# Altium PCB PCB_ESP_Dent.PcbDoc (part 1 of 2)
Units mil, origin at the board's own origin, x right, y up, seen from the top; angles counter-clockwise.
Board outline 3540 x 920 mil, 4 copper layers (L1, L2, L3, L4), stack 61.583 mil thick; 89 components, 67 nets, 316 pads, 178 vias.
Unrouted connection lines stored in the file: 1.
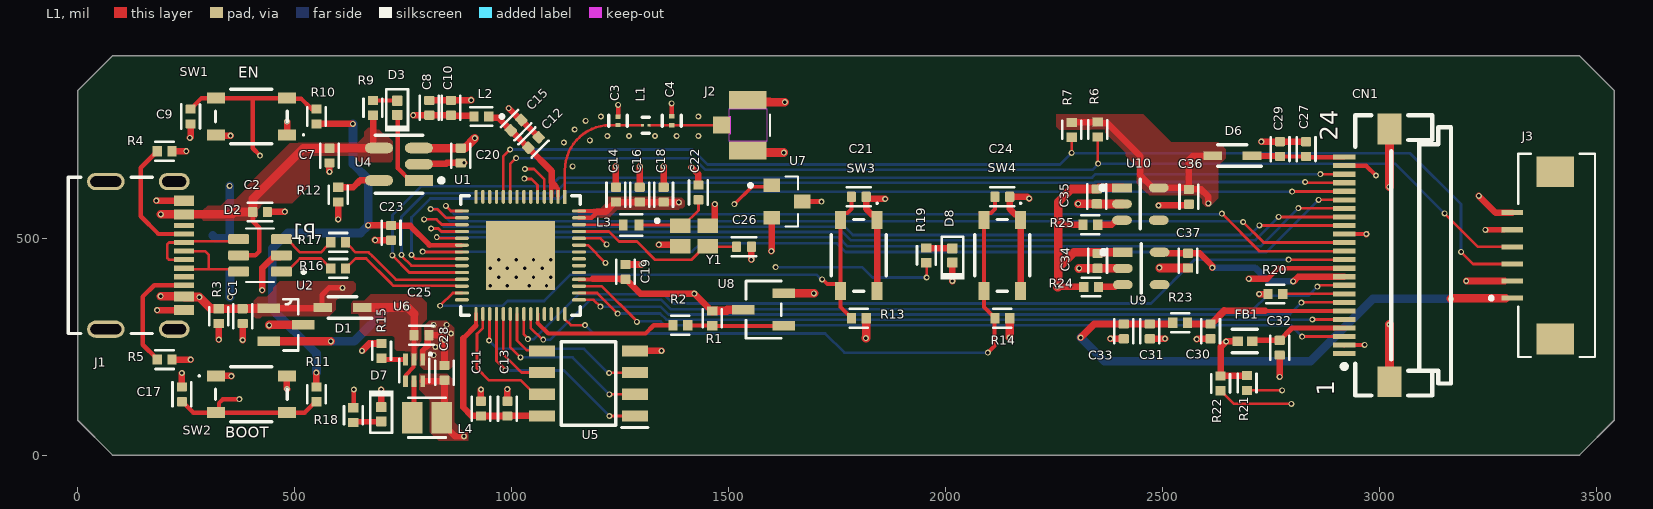
[diagram p0: L1 view]
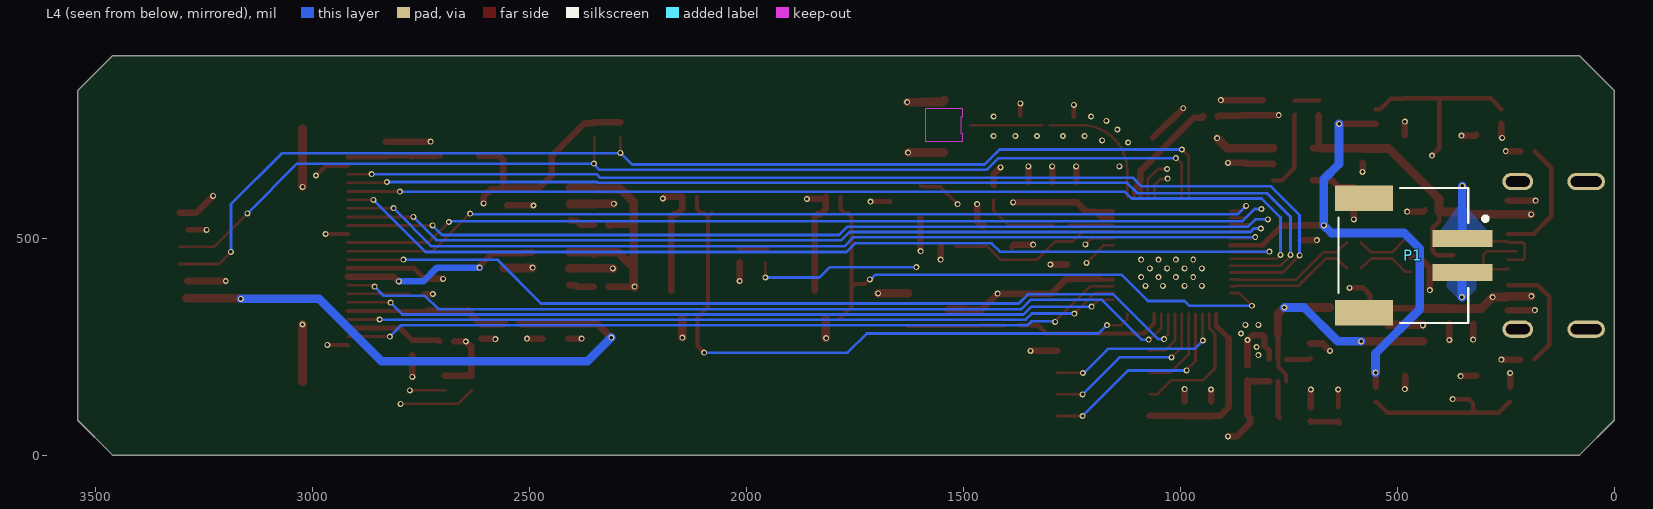
[diagram p1: L4 view, seen from below]
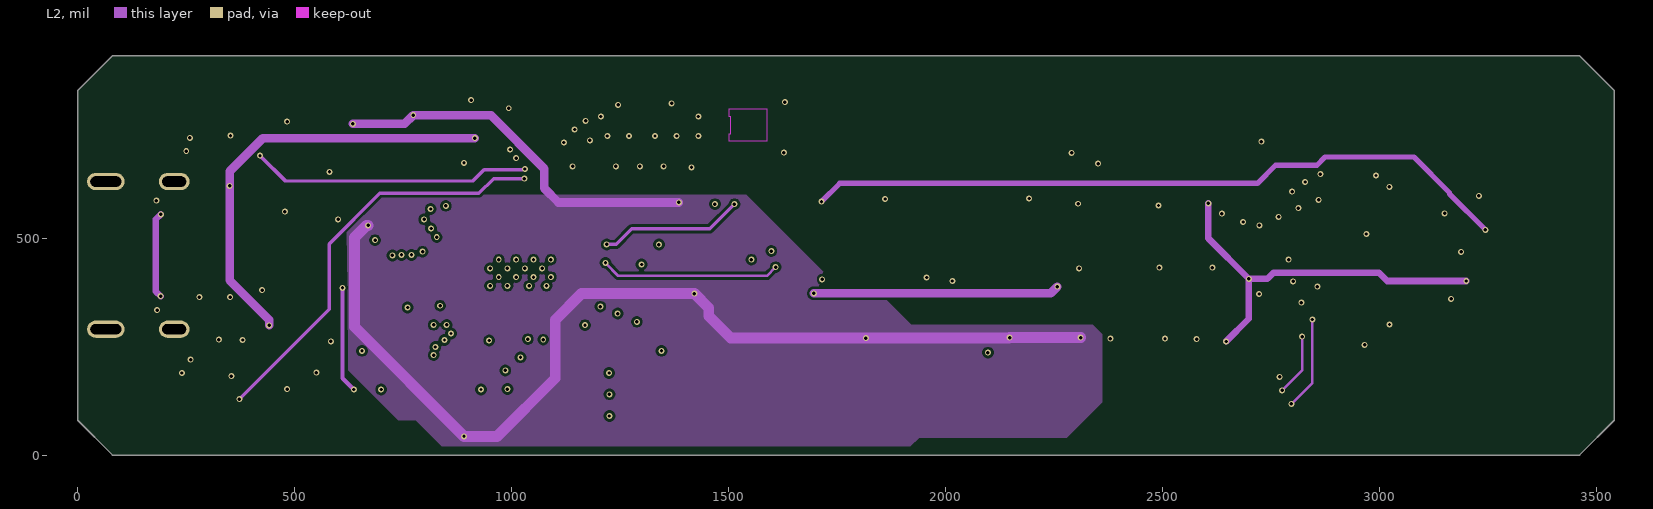
[diagram p2: L2]
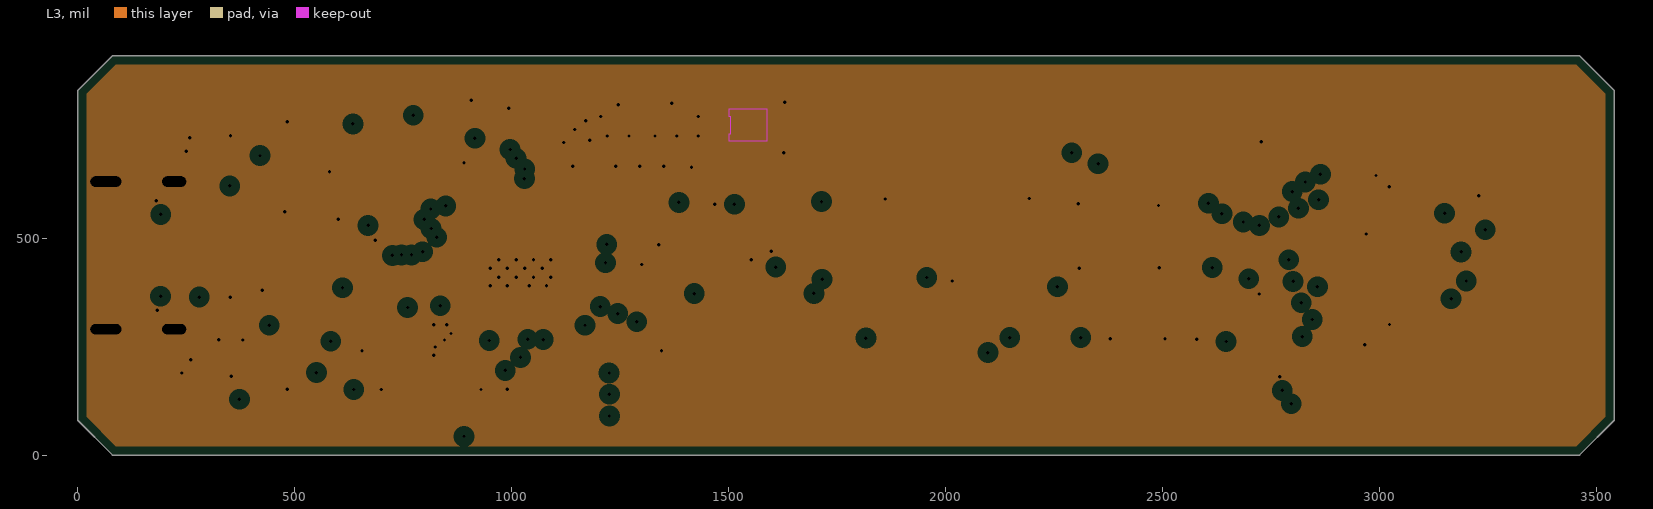
[diagram p3: L3, clearances drawn from the general rule]
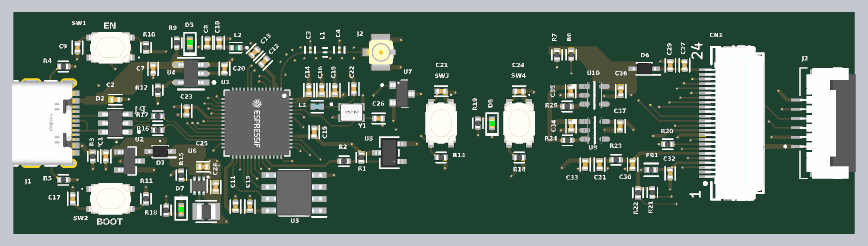
[diagram p5: 3D render of the assembled board from above, using the file's embedded part models]

## Layer stack, top to bottom
Top Solder: solder mask 0.4, Solder Resist, Dk 3.5
L1: signal copper 1.378
Dielectric 2: prepreg 3.9134, PP-006, Dk 4.1
L2: signal copper 0.5984
Dielectric 1: dielectric 49.8031, FR-4, Dk 4.8
L3: plane copper 0.5984, net GND
Dielectric 3: prepreg 3.9134, PP-006, Dk 4.1
L4: signal copper 1.378
Bottom Solder: solder mask 0.4, Solder Resist, Dk 3.5

## Board outline
0,80 80,0 3460,0 3540,80 3540,840 3460,920 80,920 0,840

## Design rules (kind name [scope] priority, off if disabled: settings)
Clearance [All] p1: gap=6 ignorepadtopadclearanceinfootprint=TRUE except(7.87: SMDPad-SMDPad)
DiffPairsRouting DIFF90 [InDifferentialPairClass('DIFF90')] p1: maxlimit=8.1 minlimit=8 mostfreqgap=8 toplayer_minwidth=6.12 toplayer_maxwidth=6.13 toplayer_prefwidth=6.12 midlayer1_maxgap=8 midlayer1_minwidth=5.1 midlayer1_maxwidth=5.2 midlayer1_prefwidth=5.1 bottomlayer_minwidth=6.12 bottomlayer_maxwidth=6.13 bottomlayer_prefwidth=6.12 maxuncoupledlength=500
MinimumSolderMaskSliver [All] p1: minsoldermaskwidth=4
PlaneClearance [All] p1: clearance=20
PlaneConnect [All] p1: pad.planeconnectstyle=Relief pad.reliefexpansion=20 pad.reliefentries=4 pad.reliefconductorwidth=20 pad.reliefairgap=10 via.planeconnectstyle=Direct via.reliefexpansion=20 via.reliefentries=4 via.reliefconductorwidth=10 via.reliefairgap=10
PolygonConnect [All] p1: connectstyle=Direct reliefconductorwidth=10 reliefentries=4 polygonreliefangle="90 Angle" airgapwidth=10
RoutingVias [All] p1: holewidth=7.87 width=13.78 viastyle="Through Hole" minholewidth=7.87 minwidth=13.78 maxholewidth=7.87 maxwidth=13.78
SilkToSilkClearance [All] p1: silktosilkclearance=6
SilkToSolderMaskClearance [IsPad] p1: minsilkscreentomaskgap=6 clearancetoexposedcopper=TRUE
SolderMaskExpansion [All] p1: expansion=0 istentingtop=TRUE
SupplyNets "Schematic Supply Nets_7" [InNet('1.8V')] p1: voltage=0.000
SupplyNets "Schematic Supply Nets_6" [InNet('VIN')] p2: voltage=0.000
SupplyNets "Schematic Supply Nets_5" [InNet('3V3')] p3: voltage=0.000
SupplyNets "Schematic Supply Nets_4" [InNet('VBAT')] p4: voltage=0.000
SupplyNets "Schematic Supply Nets_3" [InNet('2.8V')] p5: voltage=0.000
SupplyNets "Schematic Supply Nets_2" [InNet('GND')] p6: voltage=0.000
SupplyNets "Schematic Supply Nets_1" [InNet('AVCC_2.8V')] p7: voltage=0.000
SupplyNets "Schematic Supply Nets" [InNet('TYPE-C_5V')] p8: voltage=0.000
Width [All] p1: maxlimit=100 minlimit=6 preferedwidth=10 minimp=50.000000 maximp=50.000000 favimp=50.000000
24 further rules are at their usual default settings.

## Classes and differential pairs
differential pair class DIFF90: D ESP_USB ESP_USB0
differential pair ESP_USB: +ESP_USB_P -ESP_USB_N
differential pair ESP_USB0: +ESP_USB0_P -ESP_USB0_N
differential pair D: +D_P -D_N

## Components (designator, comment, footprint, x,y, rotation, side; value= is the part's Value field where it differs from the comment)
C1 "100nf" CAPC1005X55N 380,320 r90 top locked value=100nF
C2 "100nf" CAPC1005X55N 420,560 r180 top locked value=100nF
C3 "GRM0335C1H1R1BA01D" FP-GRM033-0_03-MFG 1245,770 r270 top locked value=1.1pF
C4 "GJM0335C1ER90WB01D" FP-GJM033-0_03-MFG 1368.5,770 r270 top locked value=0.9pF
C7 "10nf" CAPC1005X55N 580,690 r90 top locked value=10nF
C8 "2.2uf" CAPC1005X55N 810,800 r270 top locked
C9 "100nf" CAPC1005X55N 260,780 r90 top locked value=100nF
C10 "2.2uf" CAPC1005X55N 860,800 r270 top locked
C11 "100nf" CAPC1005X55N 929,107 r270 top locked value=100nF
C12 "100nf" CAPC1005X55N 1050,720 r225 top locked value=100nF
C13 "1uf" CAPC1005X55N 990,107 r270 top locked value=1uF
C14 "2.2uf" CAPC1005X55N 1239.85,600 r270 top locked
C15 "100nf" CAPC1005X55N 1010,760 r225 top locked value=100nF
C16 "100nf" CAPC1005X55N 1294.85,600 r270 top locked value=100nF
C17 "100nf" CAPC1005X55N 240,140 r270 top locked value=100nF
C18 "10nf" CAPC1005X55N 1349.85,600 r270 top locked value=10nF
C19 "100nf" CAPC1005X55N 1262,422 r270 top locked value=100nF
C20 "4.7uf" CAPC1005X55N 882.35,690 r90 top locked
C21 "100nf" CAPC1005X55N 1799.48,595 r180 top locked value=100nF
C22 "24pf" CAPC1005X55N 1430,605 r90 top locked
C23 "100nf" CAPC1005X55N 722,512 r90 top locked value=100nF
C24 "100nf" CAPC1005X55N 2130,595 r180 top locked value=100nF
C25 "4.7uf" CAPC1005X55N 792,276 r180 top locked
C26 "24pf" CAPC1005X55N 1535,480 r180 top locked
C27 "2.2uf" CAPC1005X55N 2830,705 r270 top locked
C28 "4.7uf" CAPC1005X55N 845,189.57 r270 top locked
C29 "100nf" CAPC1005X55N 2770,705 r270 top locked value=100nF
C30 "100nf" CAPC1005X55N 2610,285 r90 top locked value=100nF
C31 "4.7uf" CAPC1005X55N 2470,285 r90 top locked
C32 "2.2uf" CAPC1005X55N 2769.15,247.38 r90 top locked
C33 "100nf" CAPC1005X55N 2410,285 r90 top locked value=100nF
C34 "1uf" CAPC1005X55N 2349.68,447.27 r90 top locked value=1uF
C35 "1uf" CAPC1005X55N 2347.77,595.75 r90 top locked value=1uF
C36 "1uf" CAPC1005X55N 2560,595 r90 top locked value=1uF
C37 "1uf" CAPC1005X55N 2558,448.01 r90 top locked value=1uF
CN1 "AFC01-S24FCC-00" FH52-24S-0.5SH 2970,460 r90 top locked
D1 "PMEG4010BEA,115" SOD2512X110N 610,340 r180 top locked
D2 "USBLC6-2SC6" SOT95P280X145-6N 420,460 r180 top locked value=2.5pF
D3 "GREEN" LEDC1005X35N 736,800 r90 top locked
D6 "PMEG4010BEA,115" SOD2512X110N 2660,690 r180 top locked
D7 "GREEN" LEDC1005X35N 699,94 r270 top locked
D8 "GREEN" LEDC1005X35N 2015.16,460 r90 top locked
FB1 "BLM15PD121SN1D" FP-BLM15-0_05-IPC_B 2689.15,262.38 r0 top locked
J1 "USB C" FP-2171790001-MFG 110,460 r270 top locked
J2 "U.FL-R-SMT-1(80)" HIROSE_U.FL-R-SMT-1(80) 1544,760 r270 top locked
J3 "AFA01-S06FCC-00" JUSHUO_AFA01-S06FCC-00 3422,460 r90 top locked
L1 "LQP03HQ2N3B02D" FP-LQP02HV_02-MFG 1308.33,760 r0 top locked value=2.3nH
L2 "LQG15HS2N0S02D" INDC1005X55N 930,780 r0 top locked value=2nH
L3 "24nH" INDC1005X60N 1275,530 r0 top locked
L4 "1uH" INDC2016X100N 805,86 r0 top locked
P1 "S2B-PH-SM4-TB" JST_S2B-PH-SM4-TB(LF)(SN) 350,460 r270 bottom locked
R1 "100k" RESC1005X40N 1461.8,315 r270 top locked value=100kR
R2 "100R" RESC1005X40N 1388.4,299.02 r0 top locked value=100kR
R3 "100k" RESC1005X40N 325,320 r90 top locked value=100kR
R4 "5.1K" RESC1005X40N 200,700 r0 top locked value=5.1kR
R5 "5.1K" RESC1005X40N 200,220 r0 top locked value=5.1kR
R6 "4.7k" RESC1005X40N 2350,750 r90 top locked value=4.7kR
R7 "4.7k" RESC1005X40N 2290,749.37 r90 top locked value=4.7kR
R9 "1K, 16W" RESC1005X40N 680,800 r270 top locked value=1kR
R10 "10K" RESC1005X40N 550,780 r270 top locked
R11 "10K" RESC1005X40N 550,140 r90 top locked
R12 "2.4k" RESC1005X40N 600,600 r90 top locked value=2.4kR
R13 "10K" RESC1005X40N 1799.48,315 r0 top locked
R14 "10K" RESC1005X40N 2130,315 r0 top locked
R15 "249k ohm" RESC1005X40N 700,240 r270 top locked value=249kR
R16 "22R" RESC1005X40N 600,430 r0 top locked value=22Ω
R17 "22R" RESC1005X40N 600,490 r0 top locked value=22Ω
R18 "1K, 16W" RESC1005X40N 635,92 r90 top locked value=1kR
R19 "1K, 16W" RESC1005X40N 1955.16,460 r270 top locked value=1kR
R20 "10K" RESC1005X40N 2759,371 r0 top locked
R21 "4.7k" RESC1005X40N 2694,166 r270 top locked value=4.7kR
R22 "4.7k" RESC1005X40N 2633,165 r270 top locked value=4.7kR
R23 "10K" RESC1005X40N 2540,305 r0 top locked
R24 "10K" RESC1005X40N 2334.68,387.27 r0 top locked
R25 "10K" RESC1005X40N 2332.77,530.75 r0 top locked
SW1 "SKRPANE010" SKRPANE010 400,780 r180 top locked
SW2 "SKRPANE010" SKRPANE010 400,140 r0 top locked
SW3 "SKRPANE010" SKRPANE010 1799.48,460 r270 top locked
SW4 "SKRPANE010" SKRPANE010 2130,460 r270 top locked
U1 "ESP32-S3R8" FP-ESP32-S3R8-IPC_B 1020,460 r270 top locked
U2 "DMG3415U-7" SOT95P240X105-3N 480,300 r0 top locked
U4 "MCP73831T-2ACI/OT" FP-C04-091-OT-IPC_A 740,670 r180 top locked
U5 "GD25Q64ETIGR, 8MB Flash" SOIC127P600X175-8N 1176.77,165 r180 top locked
U6 "Buck Converter" SOT-563 775,195 r270 top locked
U7 "IRLML6344TRPBF" TRANS_IRLML6344TRPBF 1634,584 r0 top locked value=37MΩ
U8 "AO3407A" SOT-23-3L_AOS 1580,335 r90 top locked
U9 "MIC5504-1.8YM5-TR" FP-SOT23-5LD-PL-1-IPC_C 2450.1,429.87 r0 top locked
U10 "MIC5504-2.8YM5-TR" FP-SOT23-5LD-PL-1-IPC_C 2448.19,578.35 r0 top locked
Y1 "ABM10W-40.0000MHZ-8-B1U-T3" XTAL_ABM10W-40.0000MHZ-8-B1U-T3 1420,505 r0 top locked

## Footprints (in the part's own frame and the unit in brackets; to place one, negate y for a bottom-side part, rotate by r counter-clockwise, add the part's x,y. Pads: shape width x height; smd on the part's side, far side on the other; paste and mask are expansions set on the pad)
CAPC1005X55N [mm]
  rrect25% 0.54x0.6 smd mask+0.051: 1(-0.432,0) 2(0.432,0)
  silkscreen extent -0.7,-0.55 0.7,0.55, body extent -0.5,-0.25 0.5,0.25, height 0.55
FH52-24S-0.5SH [mm]
  rect 0.3x1.3 smd paste+0 mask+0.05: 1(-5.75,1.325) 2(-5.25,1.325) 3(-4.75,1.325) 4(-4.25,1.325) 5(-3.75,1.325) 6(-3.25,1.325) 7(-2.75,1.325) 8(-2.25,1.325) 9(-1.75,1.325) 10(-1.25,1.325) 11(-0.75,1.325) 12(-0.25,1.325) 13(0.25,1.325) 14(0.75,1.325) 15(1.25,1.325) 16(1.75,1.325) 17(2.25,1.325) 18(2.75,1.325) 19(3.25,1.325) 20(3.75,1.325) 21(4.25,1.325) 22(4.75,1.325) 23(5.25,1.325) 24(5.75,1.325)
  rect 1.8x1.4 smd paste+0 mask+0.05: 25(7.4,-1.325) 26(-7.4,-1.325)
  silkscreen extent -8.2,-4.93 8.2,1.47, body extent -8.37,-4.93 8.38,1.35, height 2.06
FP-2171790001-MFG [mm]
  rect 0.6x1.15 smd paste+0 mask+0: A1B12(-3.2,3.425) A4B9(-2.4,3.425) B1A12(3.2,3.425) B4A9(2.4,3.425)
  rect 0.3x1.15 smd paste+0 mask+0: A5(-1.25,3.425) A6(-0.25,3.425) A7(0.25,3.425) A8(1.25,3.425) B5(1.75,3.425) B6(0.75,3.425) B7(-0.75,3.425) B8(-1.75,3.425)
  rrect100% 1x1.8 hole 1.4 slot 0.6 at 0 deg paste-2539.97 mask+0: S1(-4.32,2.85) S2(4.32,2.85)
  rrect100% 1x2.2 hole 1.8 slot 0.6 at 0 deg paste-2539.97 mask+0: S3(-4.32,-1.15) S4(4.32,-1.15)
  silkscreen extent -4.57,-3.35 4.57,1.58, body extent -4.92,-3.45 4.92,4.1, height 0.25
FP-BLM15-0_05-IPC_B [mil]
  rect 24.23x22.54 smd paste+0 mask+0: 1(-16.87,0) 2(16.87,0)
  silkscreen extent -29,-27 29,27, body extent -35,-17 35,17, height 10
FP-C04-091-OT-IPC_A [mil]
  rect 64.5x24.33 smd paste+0 mask+2: 1(-45.91,37.4)
  rrect100% 64.5x24.33 smd paste+0 mask+2: 2(-45.91,0) 3(-45.91,-37.4) 4(45.91,-37.4) 5(45.91,37.4)
  silkscreen extent -103,-67 55,67, body extent -53,-57 53,57, height 57
FP-ESP32-S3R8-IPC_B [mm]
  rect 0.818x0.192 smd paste+0 mask+0: 1(-3.427,2.6)
  rrect100% 0.818x0.192 smd paste+0 mask+0: 2(-3.427,2.2) 3(-3.427,1.8) 4(-3.427,1.4) 5(-3.427,1) 6(-3.427,0.6) 7(-3.427,0.2) 8(-3.427,-0.2) 9(-3.427,-0.6) 10(-3.427,-1) 11(-3.427,-1.4) 12(-3.427,-1.8) 13(-3.427,-2.2) 14(-3.427,-2.6) 29(3.427,-2.6) 30(3.427,-2.2) 31(3.427,-1.8) 32(3.427,-1.4) 33(3.427,-1) 34(3.427,-0.6) 35(3.427,-0.2) 36(3.427,0.2) 37(3.427,0.6) 38(3.427,1) 39(3.427,1.4) 40(3.427,1.8) 41(3.427,2.2) 42(3.427,2.6)
  rrect100% 0.192x0.818 smd paste+0 mask+0: 15(-2.6,-3.427) 16(-2.2,-3.427) 17(-1.8,-3.427) 18(-1.4,-3.427) 19(-1,-3.427) 20(-0.6,-3.427) 21(-0.2,-3.427) 22(0.2,-3.427) 23(0.6,-3.427) 24(1,-3.427) 25(1.4,-3.427) 26(1.8,-3.427) 27(2.2,-3.427) 28(2.6,-3.427) 43(2.6,3.427) 44(2.2,3.427) 45(1.8,3.427) 46(1.4,3.427) 47(1,3.427) 48(0.6,3.427) 49(0.2,3.427) 50(-0.2,3.427) 51(-0.6,3.427) 52(-1,3.427) 53(-1.4,3.427) 54(-1.8,3.427) 55(-2.2,3.427) 56(-2.6,3.427)
  rect 4.05x4.05 smd paste-1000 mask+0: 57(0,0)
  silkscreen extent -3.5,-3.5 3.5,3.5, body extent -4.09,-4.09 4.09,4.09, height 0.25
FP-GJM033-0_03-MFG [mm]
  rect 0.275x0.3 smd paste+0 mask+0: 1(-0.262,0) 2(0.262,0)
  silkscreen extent -0.32,-0.55 0.32,0.55, body extent -0.5,-0.27 0.5,0.26, height 0.25
FP-GRM033-0_03-MFG [mm]
  rect 0.25x0.3 smd paste+0 mask+0: 1(-0.238,0) 2(0.238,0)
  silkscreen extent -0.32,-0.54 0.32,0.54, body extent -0.46,-0.27 0.46,0.27, height 0.25
FP-LQP02HV_02-MFG [mm]
  rect 0.18x0.16 smd paste+0 mask+0: 1(-0.19,0) 2(0.19,0)
  silkscreen extent -0.21,-0.48 0.21,0.48, body extent -0.38,-0.21 0.38,0.21, height 0.25
FP-SOT23-5LD-PL-1-IPC_C [mm]
  rect 1.156x0.53 smd paste+0 mask+0: 1(-1.075,0.95)
  rrect100% 1.156x0.53 smd paste+0 mask+0: 2(-1.075,0) 3(-1.075,-0.95) 4(1.075,-0.95) 5(1.075,0.95)
  silkscreen extent -2.33,-1.45 0,1.45, body extent -1.75,-1.55 1.75,1.55, height 0.25
HIROSE_U.FL-R-SMT-1(80) [mm] "1 Male Pin IPEX Board Side 1.25mm -40℃~+90℃ 6GHz 50Ω 2mm SMD Coaxial Connectors (RF) ROHS"
  rect 1.05x2.2 smd paste-2: G1(-1.475,0) G2(1.475,0)
  rect 1x1.05 smd paste-0.1: SIG(0,-1.525)
  Keep-Out Layer region: 0.95,-1.1 0.5,-1.1 0.5,-1 -0.5,-1 -0.5,-1.1 -0.95,-1.1 -0.95,1.1 0.95,1.1
  silkscreen extent -0.63,1.3 0.63,1.3, body extent -1.5,-1.53 1.5,1.57, height 1.26
INDC1005X55N [mm] "FIXED IND 2nH 900mA 90mΩ 0402"
  rect 0.54x0.6 smd: 1(-0.432,0) 2(0.432,0)
  silkscreen extent -0.64,-0.55 1.3,0.55, body extent -0.5,-0.25 0.5,0.25, height 0.55
INDC1005X60N [mm]
  rect 0.51x0.63 smd: 1(-0.46,0) 2(0.46,0)
  silkscreen extent -0.64,-0.64 0.64,0.64, body extent -0.5,-0.25 0.5,0.25, height 0.6
INDC2016X100N [mm]
  rect 1.2x1.82 smd: 1(-0.86,0) 2(0.86,0)
  silkscreen extent -1.1,-1.16 1.1,1.16, body extent -1,-0.8 1,0.8, height 1
JST_S2B-PH-SM4-TB(LF)(SN) [mm]
  rect 1x3.5 smd: 1(-1,0) 2(1,0)
  rect 1.5x3.4 smd: S1(-3.35,-5.75) S2(3.35,-5.75)
  silkscreen extent -3.95,-7.25 3.95,1.45, body extent -3.95,-7.37 3.95,1.23, height 5.5
JUSHUO_AFA01-S06FCC-00 [mm]
  rect 0.3x1.25 smd: 1(-2.5,2.975) 2(-1.5,2.975) 3(-0.5,2.975) 4(0.5,2.975) 5(1.5,2.975) 6(2.5,2.975)
  rect 1.8x2.2 smd: SH1(-4.9,0.45) SH2(4.9,0.45)
  silkscreen extent -5.95,-1.88 5.95,4.3, body extent -5.95,-3.35 5.95,2.6, height 2
LEDC1005X35N [mm]
  rrect15% 0.59x0.61 smd: 1(-0.415,0) 2(0.415,0)
  silkscreen extent -1.4,-0.71 1.09,0.71, body extent -0.5,-0.3 0.5,0.3, height 0.21
RESC1005X40N [mm]
  rect 0.54x0.6 smd mask+0.051: 1(-0.432,0) 2(0.432,0)
  silkscreen extent -0.53,-0.55 0.53,0.55, body extent -0.5,-0.25 0.5,0.25, height 0.4
SKRPANE010 [mm]
  rect 1.05x0.65 smd mask+0.051: 1(-2.075,1.075) 2(2.075,1.075) 3(-2.075,-1.075) 4(2.075,-1.075)
  silkscreen extent -3.1,-1.6 2.1,1.6, body extent -2.3,-1.6 2.3,1.6, height 2.5
SOD2512X110N [mm]
  rect 1.1x0.5 smd: 1(-1.15,0) 2(1.15,0)
  silkscreen extent -1.7,-0.63 0.85,0.63, body extent -1.24,-0.64 1.24,0.62, height 0.91
SOIC127P600X175-8N [mm]
  rect 1.525x0.65 smd: 1(-2.712,1.905) 2(-2.712,0.635) 3(-2.712,-0.635) 4(-2.712,-1.905) 5(2.712,-1.905) 6(2.712,-0.635) 7(2.712,0.635) 8(2.712,1.905)
  silkscreen extent -3.47,-2.45 1.6,2.58, body extent -3,-2.45 3,2.45, height 1.75
SOT95P240X105-3N [mil]
  rect 52x22 smd: 1(-40,38) 2(-40,-38) 3(40,0)
  silkscreen extent -6,-59 28,59, body extent -47,-57 47,57, height 45
SOT95P280X145-6N [mm] "TVS"
  rrect25% 1.21x0.59 smd: 1(-1.255,0.95) 2(-1.255,0) 3(-1.255,-0.95) 4(1.255,-0.95) 5(1.255,0) 6(1.255,0.95)
  silkscreen extent -2.66,-1.57 0.81,1.57, body extent -1.4,-1.46 1.4,1.46, height 1.42
SOT-23-3L_AOS [mil] "AO3407A"
  rect 22x52 smd paste+0 mask+0: 1(-37.5,-47) 2(37.5,-47) 3(0,47)
  silkscreen extent -66,-41 66,41, body extent -61,-59 61,59, height 49
SOT-563 [mm] "1.8V to 5.5V, 600mA, 275nA Iq Small Step-Down Converter"
  rect 0.68x0.28 smd: 1(-0.64,0.5) 2(-0.64,0) 3(-0.64,-0.5) 4(0.64,-0.5) 5(0.64,0) 6(0.64,0.5)
  silkscreen extent -1.02,-0.88 0.68,1.02, body extent -0.8,-0.8 0.8,0.8, height 0.6
TRANS_IRLML6344TRPBF [mm]
  rect 0.972x0.802 smd: 1(-0.885,0.95) 2(-0.885,-0.95) 3(0.885,0)
  silkscreen extent -2.23,-1.46 0.65,1.46, body extent -1.25,-1.46 1.25,1.46, height 1.12
XTAL_ABM10W-40.0000MHZ-8-B1U-T3 [mm]
  rect 1.2x0.85 smd: 1(-0.812,0.6) 2(0.812,0.6) 3(0.812,-0.6) 4(-0.812,-0.6)
  silkscreen extent -2.26,0.79 -2.06,0.99, body extent -1.25,-1 1.25,1, height 0.6

## Part data
C1 C2 C9 C11 C12 C15 C16 C17 C19 C21 C23 C24 C29 C30 C33: "CAP CER 100NF 10V X7R 0402", Case/Package=343Case, LCSC Part No.=C16193311, Manufacturer=Samsung, Manufacturer Part Number=CL05B104KP5VPNC, Max Operating Temperature=125°C, Min Operating Temperature=-55°C, Supplier Part Number=1276-CL05B104KP5VPNCCT-ND, Tolerance=10%, Voltage Rating=10V, Category="Ceramic Capacitors", Height=550um, Material=4241ConductorMaterial, Pricing="1=0.1, 10=0.037, 50=0.0248, 100=0.0212, 500=0.0159, 1000=0.01341, 2500=0.01148, 5000=0.01032 (USD)", RoHS=Yes, RoHS Compliant=Yes, Stock=98704, Supplier=Digikey
C3: library part CMP-2010-01082-2, "Chip Multilayer Ceramic Capacitors for General Purpose, 0201, 1.1pF, C0G, 30ppm/°C, 0.1pF, 50V", Capacitance=1.1pF, Case Code (Imperial)=0201, Case Code (Metric)=0603, Dielectric=C0G, LCSC Part No.=C384969, Max Operating Temperature=125°C, Min Operating Temperature=-55°C, Package Quantity=15000, Voltage Rating=50V, Case/Package=0201, Height=0.3mm, Length=0.024inch, Mount="Surface Mount", Packaging="Tape and Reel", Termination=SMD/SMT, Thickness=0.013inch, Voltage Rating (DC)=50V, Width=0.3mm
C4: library part CMP-2010-00924-2, "Ceramic Capacitor 0.9pF ±0.05pF 25V C0G 0201 (0603 Metric)", Capacitance=0.9pF, Case Code (Imperial)=0201, Case Code (Metric)=0603, Dielectric=C0G, LCSC Part No.=C471401, Max Operating Temperature=125°C, Min Operating Temperature=-55°C, Package Quantity=15000, Voltage Rating=25V, Case/Package=0201, Depth=0.3mm, Height=0.3mm, Length=0.024inch, Mount="Surface Mount", Packaging="Tape and Reel", Radiation Hardening=No, Termination=SMD/SMT, Thickness=0.013inch, Voltage Rating (DC)=25V, Width=0.012inch
C7 C18: "CAP CER 10000PF 50V X7R 0402", Case Code (Imperial)=0402, Case Code (Metric)=1005, Dielectric=X7R, LCSC Part No.=C15195, Manufacturer=Samsung, Manufacturer Part Number=CL05B103KB5NNNC, Max Operating Temperature=125°C, Min Operating Temperature=-55°C, Package Quantity=1, Supplier Part Number=1276-1028-1-ND, Tolerance=10%, Voltage=50V, Case/Package=0402, Category="Ceramic Capacitors", ComponentLink1Description=https://datasheet.ciiva.com/15195/getdatasheetpartid-359682-15195636.pdf?src-supplier=Verical, ComponentLink1URL=https://datasheet.ciiva.com/15195/getdatasheetpartid-359682-15195636.pdf?src-supplier=Verical, ComponentLink2Description=https://datasheet.ciiva.com/29198/458761-da-01-en-vs-kondensator-0402-29198432.pdf?src-supplier=Conrad, ComponentLink2URL=https://datasheet.ciiva.com/29198/458761-da-01-en-vs-kondensator-0402-29198432.pdf?src-supplier=Conrad, ComponentLink3Description=https://datasheet.ciiva.com/26309/mlcc-catalogdownload2013-eng-26309005.pdf?src-supplier=Distrelec, ComponentLink3URL=https://datasheet.ciiva.com/26309/mlcc-catalogdownload2013-eng-26309005.pdf?src-supplier=Distrelec, Construction=Flat, Depth=0.5mm, Height=0.5mm, Lead Free=5697LeadFree, Length=1mm, Material=Ceramic, Mounting Technology="Surface Mount", Packaging="Tape and Reel", Pricing="1=0.08, 10=0.002 (USD)", Radiation Hardening=No, RoHS=Yes, RoHS Compliant=Yes, Series=CL, Stock=192666, Supplier=Digikey, Thickness=0.022inch, Voltage Rating=50V, Voltage Rating (DC)=50V, Width=0.02inch
C8 C10 C14 C27 C32: "CAP CER 2.2UF 10V X5R 0402", LCSC Part No.=C107369, Manufacturer=Samsung, Manufacturer Part Number=CL05A225KP5NSNC, Supplier Part Number=1276-1108-1-ND, Category="Ceramic Capacitors", ComponentLink1Description=https://datasheet.ciiva.com/26838/getdatasheetpartid-358634-26838179.pdf?src-supplier=Verical, ComponentLink1URL=https://datasheet.ciiva.com/26838/getdatasheetpartid-358634-26838179.pdf?src-supplier=Verical, ComponentLink2Description=https://datasheet.ciiva.com/25794/cl05a225kp5nsnc-25794439.pdf?src-supplier=Digikey, ComponentLink2URL=https://datasheet.ciiva.com/25794/cl05a225kp5nsnc-25794439.pdf?src-supplier=Digikey, Material=4241ConductorMaterial, Pricing="1=0.13, 10=0.072, 50=0.0504, 100=0.0437, 500=0.0325, 1000=0.02908, 2500=0.02547, 5000=0.0233 (USD)", RoHS=Yes, Supplier=Digikey
C13 C34 C35 C36 C37: "CAP CER 1UF 25V X5R 0402", Capacitor Type=Ceramic, Case/Package=0402, LCSC Part No.=C52923, Manufacturer=Samsung, Manufacturer Part Number=CL05A105KA5NQNC, Max Operating Temperature=85°C, Min Operating Temperature=-55°C, Package Shape=Rectangular, Package Style=SMTMeter, Rated DC Voltage (URdc)=25V, Supplier Part Number=1276-1445-1-ND, Temperature Characteristics Code=X5R, Tolerance  (fill in as +-)=10%, Category="Ceramic Capacitors", ComponentLink1Description=https://datasheet.ciiva.com:443/pdfs/VipMasterIC/IC/SEMS/SEMS-S-A0008384515/SEMS-S-A0008872946-1.pdf?src-supplier=IHS+Markit, ComponentLink1URL=https://datasheet.ciiva.com:443/pdfs/VipMasterIC/IC/SEMS/SEMS-S-A0008384515/SEMS-S-A0008872946-1.pdf?src-supplier=IHS+Markit, ComponentLink2Description=https://datasheet.ciiva.com/25720/cl05a105ka5nqnc-25720771.pdf?src-supplier=Digikey, ComponentLink2URL=https://datasheet.ciiva.com/25720/cl05a105ka5nqnc-25720771.pdf?src-supplier=Digikey, ComponentLink3Description=https://datasheet.ciiva.com/3777/cl05a105ka5nqnc-3777709.pdf?src-supplier=Arrow+Electronics, ComponentLink3URL=https://datasheet.ciiva.com/3777/cl05a105ka5nqnc-3777709.pdf?src-supplier=Arrow+Electronics, ComponentLink4Description=https://datasheet.ciiva.com/29198/459147-da-01-en-vs-kondensator-0402-29198339.pdf?src-supplier=Conrad, ComponentLink4URL=https://datasheet.ciiva.com/29198/459147-da-01-en-vs-kondensator-0402-29198339.pdf?src-supplier=Conrad, Dielectric Material=Ceramic, Height=0.6mm, JESD-609 Code=e3, Length=1mm, Mounting Technology="Surface Mount", Multilayer=Yes, Packaging="Tape and Reel", Pins=2, Pricing="1=0.08, 10=0.03, 50=0.0214 (USD)", Reach SVHC Compliant=Yes, RoHS=Yes, RoHS Compliant=Yes, Stock=704317, Supplier=Digikey, Terminal Finish=Nickel, Termination=Wraparound, Tolerance (fill in as +-)=10%, Width=0.5mm
C20 C25 C28 C31: "CAP CER 4.7UF 10V X5R 0402", LCSC Part No.=C730428, Manufacturer=Samsung, Manufacturer Part Number=CL05A475KP5ZRNC, Supplier Part Number=1276-CL05A475KP5ZRNCCT-ND, Pricing="1=0.2, 10=0.114, 50=0.081, 100=0.0711, 500=0.05766, 1000=0.04912, 2500=0.04367, 5000=0.04039, 10000=0.035, 20000=0.03472, 30000=0.03435, 50000=0.03312, 70000=0.0324, 100000=0.0318 (USD)", RoHS=Yes, Stock=56476, Supplier=DigiKey
C22 C26: "CAP CER 24PF 50V C0G/NPO 0402", LCSC Part No.=C541417, Manufacturer=Yageo, Manufacturer Part Number=CC0402GRNPO9BN240, Supplier Part Number=311-3334-1-ND, Category="Ceramic Capacitors", ComponentLink1Description=http://www.yageo.com/documents/recent/UPY-GP_NP0_16V-to-50V_16.pdf?src-supplier=Digikey, ComponentLink1URL=http://www.yageo.com/documents/recent/UPY-GP_NP0_16V-to-50V_16.pdf?src-supplier=Digikey, ComponentLink2Description=http://www.yageo.com/NewPortal/yageodocoutput?fileName=/pdf/MLCC/UPY-GP_NP0_16V-to-50V_14.pdf&src-supplier=Digikey, ComponentLink2URL=http://www.yageo.com/NewPortal/yageodocoutput?fileName=/pdf/MLCC/UPY-GP_NP0_16V-to-50V_14.pdf&src-supplier=Digikey, ComponentLink3Description=https://datasheet.octopart.com/CC0402GRNPO9BN240-Yageo-datasheet-178484655.pdf?src-supplier=Future+Electronics, ComponentLink3URL=https://datasheet.octopart.com/CC0402GRNPO9BN240-Yageo-datasheet-178484655.pdf?src-supplier=Future+Electronics, Pricing="1=0.1, 10=0.041, 50=0.0278, 100=0.0239, 500=0.01724, 1000=0.0152, 2500=0.01306, 5000=0.01178 (USD)", RoHS=Yes, Stock=9554, Supplier=Digikey
CN1: "SMD,P=0.5mm,Surface Mount,Right Angle", Flammability Rating="UL94 V-0", LCSC Part No.=C262276, Manufacturer=Hirose, Category="FFC / FPC", ComponentLink1Description=https://datasheet.ciiva.com:443/pdfs/VipMasterIC/IC/HIRO/HIRO-S-A0003371943/HIRO-S-A0003371943-1.pdf?src-supplier=IHS+Markit, ComponentLink1URL=https://datasheet.ciiva.com:443/pdfs/VipMasterIC/IC/HIRO/HIRO-S-A0003371943/HIRO-S-A0003371943-1.pdf?src-supplier=IHS+Markit, ComponentLink2Description=https://www.hirose.com/product/en/download_file/key_name/FH52-24S-0.5SH/category/Specification%20Sheet/doc_file_id/43519/?file_category_id=9&item_id=05803318500&is_series=&src-supplier=Digikey, ComponentLink2URL=https://www.hirose.com/product/en/download_file/key_name/FH52-24S-0.5SH/category/Specification%20Sheet/doc_file_id/43519/?file_category_id=9&item_id=05803318500&is_series=&src-supplier=Digikey, ComponentLink3Description=https://datasheet.octopart.com/FH52-24S-0.5SH-Hirose-datasheet-155997836.pdf?src-supplier=Future+Electronics, ComponentLink3URL=https://datasheet.octopart.com/FH52-24S-0.5SH-Hirose-datasheet-155997836.pdf?src-supplier=Future+Electronics, ComponentLink4Description=https://datasheet.octopart.com/FH52-24S-0.5SH-Hirose-datasheet-137334854.pdf?src-supplier=Sager+Electronics, ComponentLink4URL=https://datasheet.octopart.com/FH52-24S-0.5SH-Hirose-datasheet-137334854.pdf?src-supplier=Sager+Electronics, Connector Type="CARD EDGE CONNECTOR", Contact Finish - Mating=GOLD, Contact Finish - Termination=GOLD, Contact Gender=Female, Contact Material="Copper Alloy", DIN Conformance=No, Filter Feature=No, IEC Conformance=No, JESD-609 Code=e4, Manufacturer Part Number=AFC01-S24FCC-00, MIL Conformance=No, Mixed Contacts=No, Mounting Style="RIGHT ANGLE", Mounting Technology=Board, Number of Contacts=24, Number of Rows Loaded=1, Option="General Purpose", Pricing="1=1.87, 10=1.59, 25=1.4904, 50=1.419, 100=1.3512, 250=1.26648, 500=1.20602, 1000=1.14846 (USD)", RoHS=Yes, RoHS Compliant=Yes, Stock=2429, Supplier=Digikey, Supplier Part Number=AFC01-S24FCC-00, Terminal Pitch=0.5mm, Termination=SMD/SMT
D1 D6: "DIODE SCHOTTKY 40V 1A SOD323", LCSC Part No.=C36975, Manufacturer=Nexperia, Max Operating Temperature=150°C, Max Output current=1A, Package Body Material=Plastic, Package Shape=Rectangular, Package Style="SMALL OUTLINEMeter", Peak Reflow Temperature (Cel)=260°C, Supplier Part Number=1727-5211-1-ND, Time @ Peak Reflow Temperature-Max (s)=40s, Category="Schottky Diodes", ComponentLink1Description=https://datasheet.ciiva.com:443/pdfs/VipMasterIC/IC/PHGL/PHGLS19535/PHGLS19689-1.pdf?src-supplier=IHS+Markit, ComponentLink1URL=https://datasheet.ciiva.com:443/pdfs/VipMasterIC/IC/PHGL/PHGLS19535/PHGLS19689-1.pdf?src-supplier=IHS+Markit, ComponentLink2Description=http://www.farnell.com/datasheets/689588.pdf?src-supplier=Farnell, ComponentLink2URL=http://www.farnell.com/datasheets/689588.pdf?src-supplier=Farnell, ComponentLink3Description=https://datasheet.octopart.com/PMEG4010BEA%2C115-Nexperia-datasheet-142110124.pdf?src-supplier=Future+Electronics, ComponentLink3URL=https://datasheet.octopart.com/PMEG4010BEA%2C115-Nexperia-datasheet-142110124.pdf?src-supplier=Future+Electronics, ComponentLink4Description=https://datasheet.octopart.com/PMEG4010BEA%2C115-Nexperia-datasheet-180924740.pdf?src-supplier=Newark, ComponentLink4URL=https://datasheet.octopart.com/PMEG4010BEA%2C115-Nexperia-datasheet-180924740.pdf?src-supplier=Newark, Diode Element Material=SILICON, Diode Type=RECTIFIER, JESD-30 Code=R-PDSO-G2, JESD-609 Code=e3, Manufacturer Part Number=PMEG4010BEA,115, Moisture Sensitivity Level=1, Number of Elements=1, Pins=2, Pricing="1=0.29, 10=0.166, 100=0.1306, 500=0.09678, 1000=0.08581 (USD)", Qualification Status="Not Qualified", Reach SVHC Compliant=Yes, RoHS=Yes, RoHS Compliant=Yes, Stock=29096, Supplier=Digikey, Surface Mount=Yes, Technology=SCHOTTKY, Terminal Finish=Tin, Terminal Form="Gull Wing", Terminal Position=DUAL
D2: "17V Clamp 5A (8/20µs) Ipp Tvs Diode Surface Mount SOT-23-6", Breakdown Voltage=6V, Case/Package=SOT-23, Clamping Voltage=17V, Forward Voltage=1.1V, LCSC Part No.=C7519, Leakage Current=150nA, Manufacturer=STMicroelectronics, Max Junction Temperature (Tj)=125°C, Max Repetitive Reverse Voltage (Vrrm)=5.25V, Min Operating Temperature=-40°C, Peak Pulse Current=5A, Power Line Protection=Yes, Reverse Standoff Voltage=5V, Supplier Part Number=497-5235-1-ND, Test Current=1mA, Category="TVS Diodes", China RoHS=Compliant, ComponentLink1Description=https://datasheet.octopart.com:443/USBLC6-2SC6-STMicroelectronics-datasheet-10412581.pdf?src-supplier=Newark, ComponentLink1URL=https://datasheet.octopart.com:443/USBLC6-2SC6-STMicroelectronics-datasheet-10412581.pdf?src-supplier=Newark, ComponentLink2Description=https://datasheet.octopart.com:443/USBLC6-2SC6-STMicroelectronics-datasheet-181961833.pdf?src-supplier=Newark, ComponentLink2URL=https://datasheet.octopart.com:443/USBLC6-2SC6-STMicroelectronics-datasheet-181961833.pdf?src-supplier=Newark, ComponentLink3Description=https://datasheet.octopart.com:443/USBLC6-2SC6-STMicroelectronics-datasheet-525477.pdf?src-supplier=Factory+Futures, ComponentLink3URL=https://datasheet.octopart.com:443/USBLC6-2SC6-STMicroelectronics-datasheet-525477.pdf?src-supplier=Factory+Futures, ComponentLink4Description=https://datasheet.octopart.com:443/USBLC6-2SC6-STMicroelectronics-datasheet-82998616.pdf?src-supplier=Farnell, ComponentLink4URL=https://datasheet.octopart.com:443/USBLC6-2SC6-STMicroelectronics-datasheet-82998616.pdf?src-supplier=Farnell, ComponentLink5Description=https://datasheet.octopart.com:443/USBLC6-2SC6-STMicroelectronics-datasheet-46285.pdf?src-supplier=Farnell, ComponentLink5URL=https://datasheet.octopart.com:443/USBLC6-2SC6-STMicroelectronics-datasheet-46285.pdf?src-supplier=Farnell, ComponentLink6Description=https://datasheet.octopart.com:443/USBLC6-2SC6-STMicroelectronics-datasheet-14050643.pdf?src-supplier=iiiC, ComponentLink6URL=https://datasheet.octopart.com:443/USBLC6-2SC6-STMicroelectronics-datasheet-14050643.pdf?src-supplier=iiiC, ComponentLink7Description=https://datasheet.octopart.com:443/USBLC6-2SC6-STMicroelectronics-datasheet-10521292.pdf?src-supplier=Jameco, ComponentLink7URL=https://datasheet.octopart.com:443/USBLC6-2SC6-STMicroelectronics-datasheet-10521292.pdf?src-supplier=Jameco, Contact Plating=Tin, Data Rate=480Mbps, Depth=1.75mm, Direction=Unidirectional, Element Configuration=Dual, ESD Protection=Yes, Height=1.45mm, Lead Free="Lead Free", Length=3.05mm, Lifecycle Status=Production, Manufacturer Part Number=USBLC6-2SC6, Max Breakdown Voltage=6V, Max Operating Temperature=125°C, Max Reverse Leakage Current=150nA, Min Breakdown Voltage=6V, Mounting Technology="Surface Mount", Number of Bidirectional Channels=2, Number of Channels=2, Number of Elements=1, Number of Terminals=6, Operating Supply Voltage=1.1V, Peak Reverse Current=150nA, Pins=6, Polarity=Unidirectional, Pricing="1=0.36, 10=0.243, 100=0.163, 500=0.127, 1000=0.114 (USD)", Radiation Hardening=No, REACH SVHC=Yes, Reverse Breakdown Voltage=6V, RoHS=Compliant, Schedule B="8536300000, 8536300000|8536300000|8536300000|8536300000|8536300000|8536300000|8536300000|8536300000|8536300000|8536300000|8536300000|8536300000|8536300000|8536300000|8536300000|8536300000|8536300000|8536300000|8536300000|8536300000|8536300000|8536300000|8536300000|85", Stock=121944, Supplier=DigiKey, Termination=SMD/SMT, Width=1.75mm, Working Voltage=5V
D3 D7 D8: library part VLMG1500-GS08, "LED YLW-GRN 0402 SMD", Color=Green,Yellow, Color@wavelength=Green, Forward Current=30mA, Forward Voltage=2.4V, LCSC Part No.=C511404, Manufacturer=Vishay, Max Operating Temperature=85°C, Min Operating Temperature=-30°C, Reverse Voltage-Max=5V, Supplier Part Number=VLMG1500-GS08CT-ND, Category=LEDs, Channels=1, ComponentLink1Description=https://datasheet.ciiva.com:443/pdfs/VipMasterIC/IC/VISH/VISH-S-A0003457490/VISH-S-A0003457490-1.pdf?src-supplier=IHS+Markit, ComponentLink1URL=https://datasheet.ciiva.com:443/pdfs/VipMasterIC/IC/VISH/VISH-S-A0003457490/VISH-S-A0003457490-1.pdf?src-supplier=IHS+Markit, ComponentLink2Description=https://datasheet.ciiva.com/12071/vlmo1500-244705-12071911.pdf?src-supplier=Mouser, ComponentLink2URL=https://datasheet.ciiva.com/12071/vlmo1500-244705-12071911.pdf?src-supplier=Mouser, ComponentLink3Description=https://datasheet.ciiva.com/30005/vlmo1500-30005134.pdf?src-supplier=Avnet, ComponentLink3URL=https://datasheet.ciiva.com/30005/vlmo1500-30005134.pdf?src-supplier=Avnet, Luminous Intensity-Nom=90mcd, Manufacturer Part Number=VLMG1500-GS08, Mounting Technology="Surface Mount", Optoelectronic Device Type="SINGLE COLOR LED", Overall Height=0.35mm, Packaging="Tape and Reel", Pins=2, Pricing="1=0.24, 10=0.164, 100=0.1147, 500=0.09218, 1000=0.0847 (USD)", Reach SVHC Compliant=Yes, RoHS=Yes, RoHS Compliant=Yes, Shape=Rectangular, Size=0.5mm, Stock=234660, Supplier=Digikey, Terminal Pitch=0.95mm, Viewing Angle=130°
FB1: "Chip Ferrite Bead, 0402, 120Ω @ 100MHz, 0.09Ω, 25%, 1.3A", Case Code (Imperial)=0402, Case Code (Metric)=1005, Current Rating=1.3A, DC Resistance (DCR)=90mR, LCSC Part No.=C76891, Max Operating Temperature=125°C, Min Operating Temperature=-55°C, Package Quantity=1, Test Frequency=100MHz, Tolerance=25%, Case/Package=0402, Core Material=Ferrite, DC Current=1.3A, Depth=0.55mm, Height=0.5mm, Impedance=120R, Lead Free="Lead Free", Length=1mm, Material=Steel, Max Current Rating=1.3A, Max DC Current=1.3A, Military Standard=Not, Number of Circuits=1, Number of Lines=1, Number of Pins=2, Packaging="Tape and Reel", Radiation Hardening=No, REACH SVHC="No SVHC", Termination=SMD/SMT, Width=0.5mm
J1: library part 217179-0001, "USB Connector, USB Type C, USB 2.0, Receptacle, 16 Ways, Surface Mount, Through Hole Mount", Contact Resistance=50mΩ, Current Rating=1.25A, Dielectric Material=Polyamide, Insulation Resistance=100MΩ, LCSC Part No.=C3197684, Manufacturer=Molex, Max Operating Temperature=85°C, Min Operating Temperature=-40°C, Supplier Part Number=900-2171790001DKR-ND, Voltage Rating=30V, Category="USB Connectors", ComponentLink1Description=https://datasheet.octopart.com:443/217179-0001-Molex-datasheet-158871109.pdf?src-supplier=ODG+(Origin+Data+Global), ComponentLink1URL=https://datasheet.octopart.com:443/217179-0001-Molex-datasheet-158871109.pdf?src-supplier=ODG+(Origin+Data+Global), ComponentLink2Description=https://sigma.octopart.com:443/158871110/technical_drawing/Molex-217179-0001.pdf?src-supplier=Upverter, ComponentLink2URL=https://sigma.octopart.com:443/158871110/technical_drawing/Molex-217179-0001.pdf?src-supplier=Upverter, ComponentLink3Description=https://datasheet.octopart.com:443/217179-0001-Molex-datasheet-164573281.pdf?src-supplier=RS+(Formerly+Allied+Electronics), ComponentLink3URL=https://datasheet.octopart.com:443/217179-0001-Molex-datasheet-164573281.pdf?src-supplier=RS+(Formerly+Allied+Electronics), ComponentLink4Description=http://sigma.octopart.com:80/reach_statement/Molex-company-74.pdf?src-supplier=Compliance+Statements, ComponentLink4URL=http://sigma.octopart.com:80/reach_statement/Molex-company-74.pdf?src-supplier=Compliance+Statements, ComponentLink5Description=http://sigma.octopart.com:80/rohs_statement/Molex-company-73.pdf?src-supplier=Compliance+Statements, ComponentLink5URL=http://sigma.octopart.com:80/rohs_statement/Molex-company-73.pdf?src-supplier=Compliance+Statements, ComponentLink6Description=http://sigma.octopart.com:80/conflict_mineral_statement/Molex-company-72.pdf?src-supplier=Compliance+Statements, ComponentLink6URL=http://sigma.octopart.com:80/conflict_mineral_statement/Molex-company-72.pdf?src-supplier=Compliance+Statements, Contact Gender=Female, Contact Material="Gold, Nickel", Gender=Receptacle, Height=3.36mm, Lifecycle Status=Production, Manufacturer Part Number=217179-0001, Number of Contacts=16, Number of Ports=1, Number of Rows=1, Pins=16, Pricing="1=0.83, 10=0.704, 25=0.6596, 50=0.628, 100=0.598, 250=0.56052, 500=0.53374 (USD)", REACH SVHC=Yes, RoHS=Compliant, Shell Finish=Nickel, Shell Material="Stainless Steel", Stock=10151, Supplier=DigiKey, Terminal Pitch=500µm, USB Standard="USB 2.0"
J2: "U.FL (UMCC) Connector Receptacle, Male Pin 50 Ohms Surface Mount Solder", LCSC Part No.=C88374, Package=None, Availability=Unavailable, ComponentLink1Description=Link, ComponentLink1URL=C88374, MP=U.FL-R-SMT-1(80), Price=None
J3: "Pitch 1.00mm FPC Connector SMT Type", LCSC Part No.=C262262, Package=Package, Check_prices=https://www.snapeda.com/parts/AFA01-S06FCC-00/Shenzhen+Jushuo+Electronics+Co/view-part/?ref=eda, MF="Shenzhen Jushuo Electronics Co", MP=AFA01-S06FCC-00, SnapEDA_Link=https://www.snapeda.com/parts/AFA01-S06FCC-00/Shenzhen+Jushuo+Electronics+Co/view-part/?ref=snap